# Altium PCB B1029_T01_V1.1.PcbDoc (part 1 of 2) (continued)
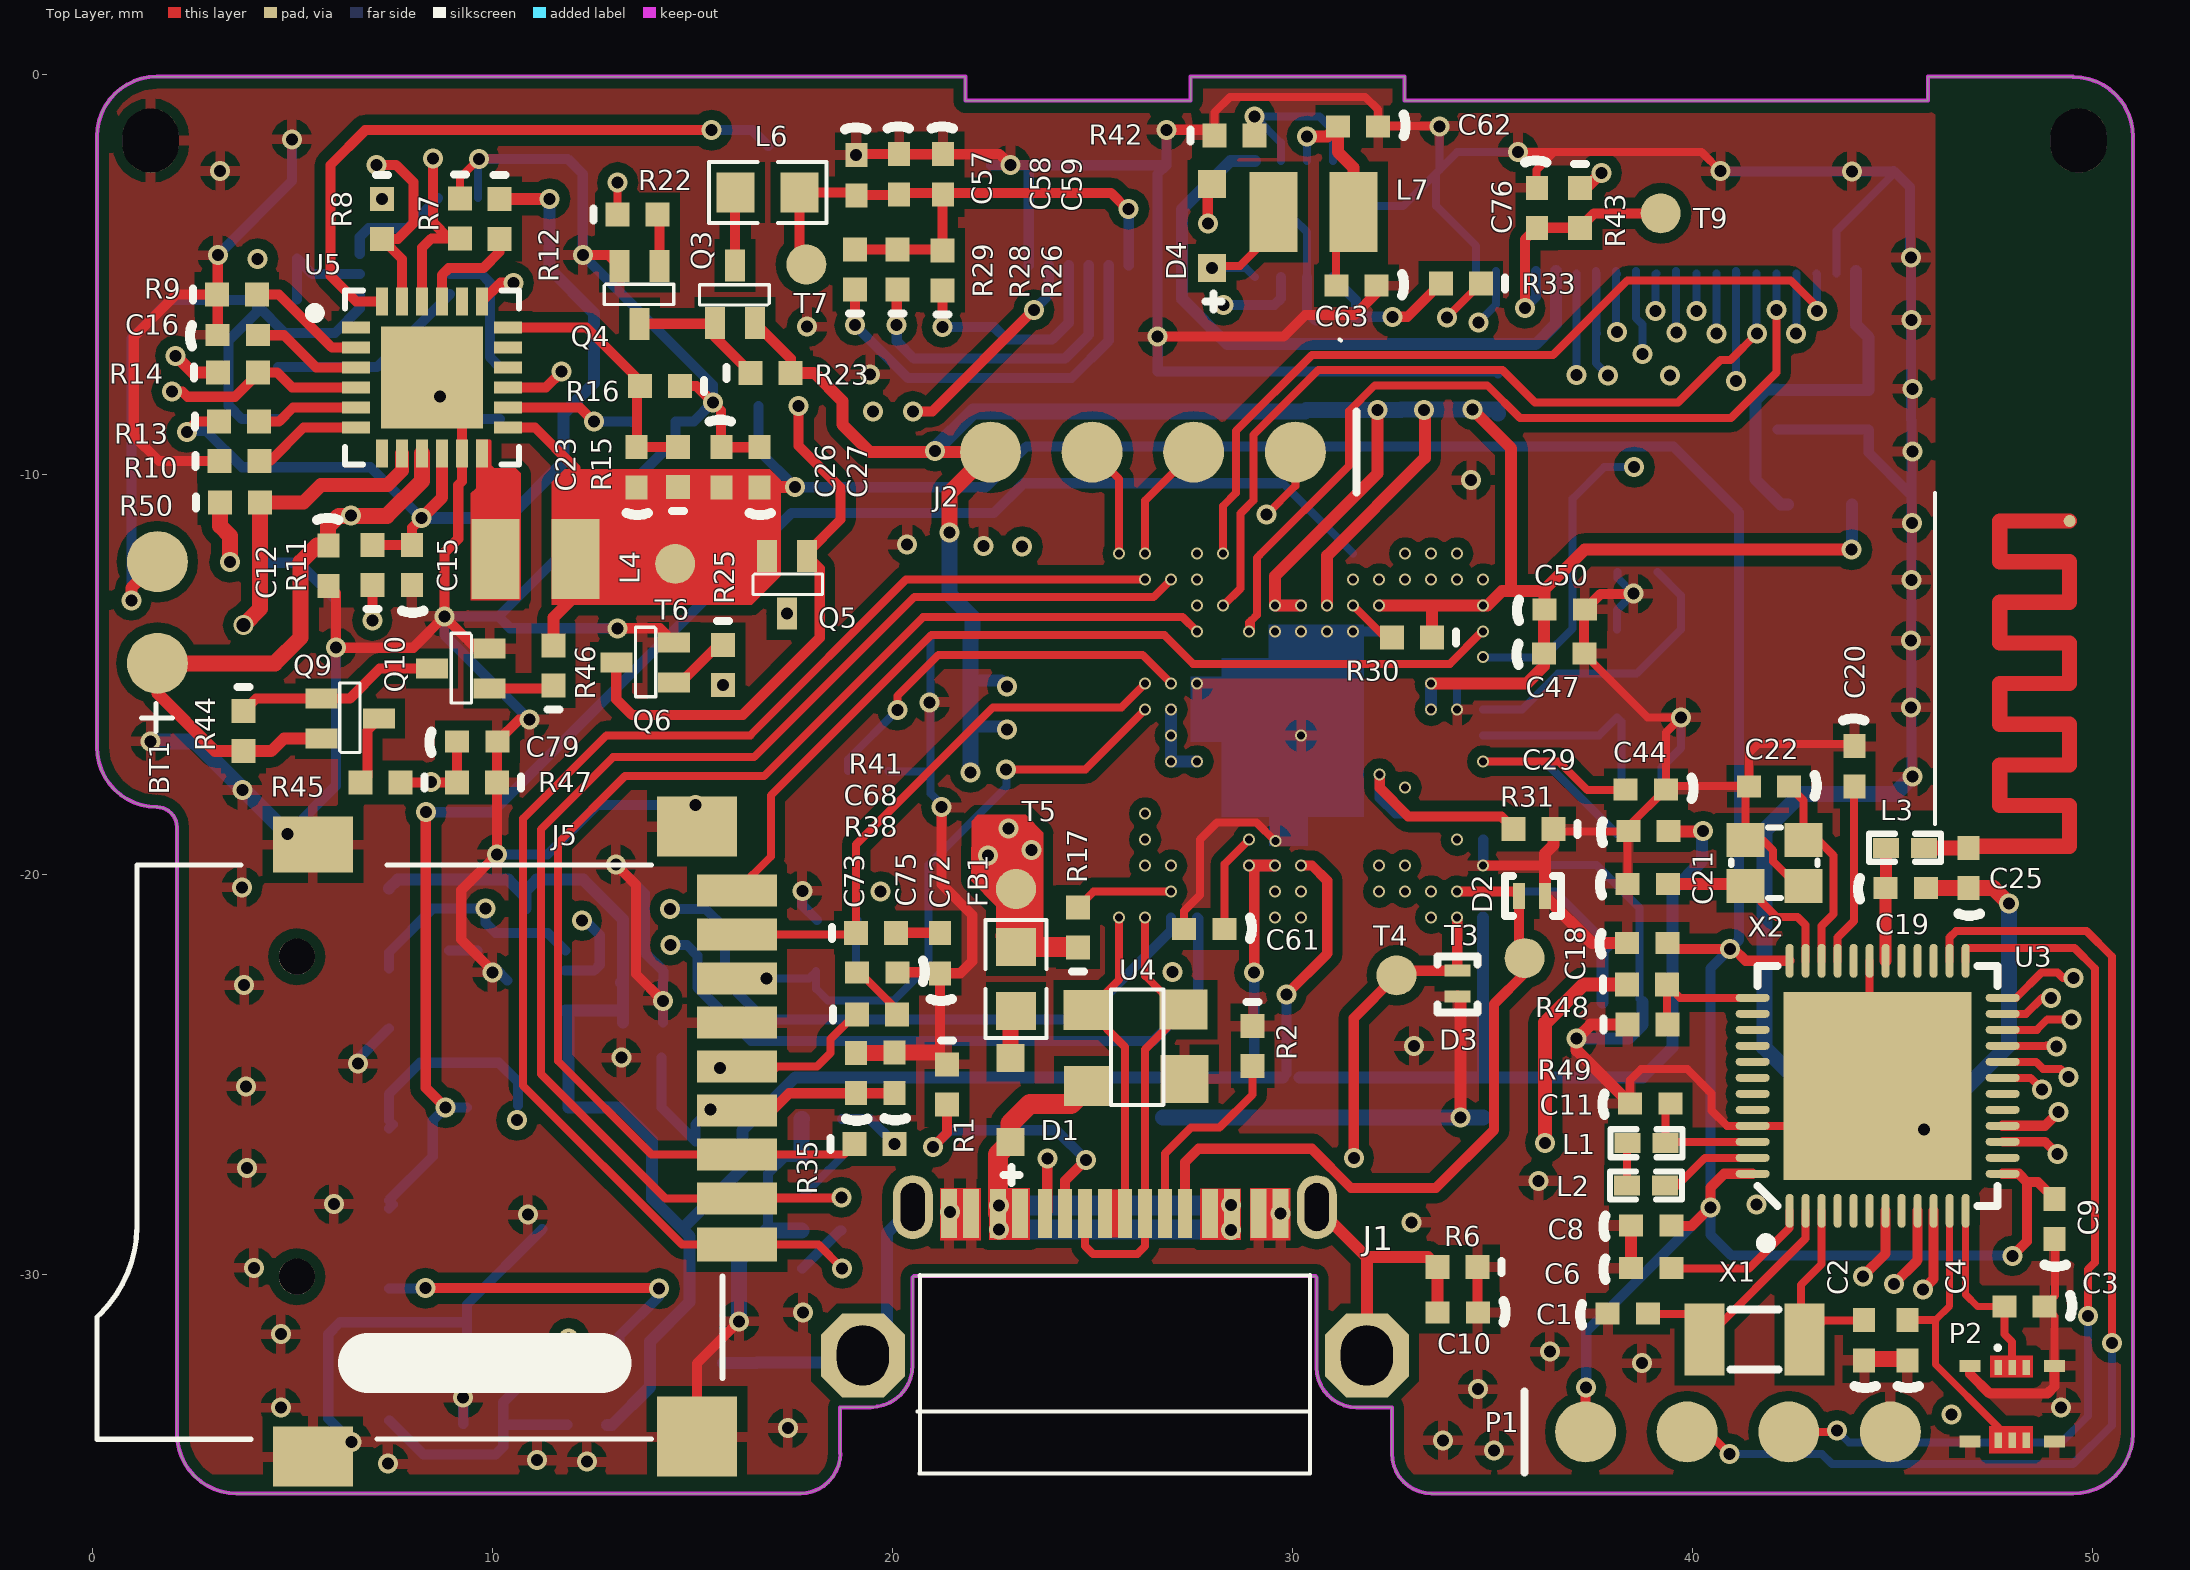
[diagram p0: Top Layer view]
## Components (designator, comment, footprint, x,y, rotation, side; value= is the part's Value field where it differs from the comment) (continued)
MOSI "CHECK" TEST_P#4 6.342,-26.98 r180 bottom
P1 "DownLoad_Nodic" SWD_CON 37.336,-33.939 r0 top
P2 "6PIN-BOARD" 6PIN-DB 48.003,-32.327 r0 top
Q3 "NTA4151PT1G" SOT523_MOSFET#1 16.076,-4.753 r0 top
Q4 "2SK3019TL" SOT523_MOSFET#2 13.714,-5.515 r180 top
Q5 "NTA4151PT1G" SOT523_MOSFET#1 17.371,-13.508 r180 top
Q6 "2SK3019TL" SOT523_MOSFET#2 13.824,-14.732 r90 top
Q9 "NTA4151PT1G" SOT523_MOSFET#1 7.205,-16.106 r270 top
Q10 "2SK3019TL" SOT523_MOSFET#2 9.218,-14.884 r90 top
R1 "5.1K" 0402-A 21.373,-25.25 r270 top
R2 "5.1K" 0402-A 29.014,-24.289 r270 top
R3 "1M" 0402-A 16.621,-31.709 r270 bottom
R4 "2k" 0402-A 9.15,-3.087 r0 bottom
R5 "100" 0402-A 4.625,-4.61 r180 bottom
R6 "1M" 0402-A 34.139,-29.813 r180 top
R7 "100K" 0402-A 9.193,-3.604 r270 top
R8 "120K" 0402-A 7.251,-3.617 r270 top
R9 "2.2K 1%" 0402-A 3.616,-5.503 r0 top
R10 "100K %5" 0402-A 3.681,-9.664 r0 top
R11 "100K %5" 0402-A 7.01,-12.263 r90 top
R12 "100K 1%" 0402-A 10.186,-3.613 r270 top
R13 "100K %5" 0402-A 3.674,-8.677 r0 top
R14 "47K" 0402-A 3.645,-7.45 r0 top
R15 "249K 1%" 0402-A 14.641,-9.819 r90 top
R16 "80.6k 1%" 0402-A 14.196,-7.793 r180 top
R17 "22R" 0402-A 24.647,-21.322 r90 top
R21 "10K" 0402-A 10.34,-20.859 r180 bottom
R22 "100K" 0402-A 13.638,-3.508 r0 top
R23 "100K" 0402-A 16.965,-7.463 r0 top
R24 "100K" 0402-A 17.161,-8.289 r180 bottom
R25 "100K" 0402-A 15.776,-14.76 r270 top
R26 "1.5K" 0402-A 21.258,-4.897 r90 top
R27 "100R" 0402-A 20.018,-8.429 r180 bottom
R28 "1.5K" 0402-A 20.14,-4.88 r90 top
R29 "10K" 0402-A 19.073,-4.872 r90 top
R30 "10K" 0402-A 32.996,-14.074 r180 top
R31 "10K" 0402-A 36.04,-18.867 r180 top
R32 "68R" 0402-A 18.252,-29.851 r180 bottom
R33 "68R" 0402-A 34.216,-5.23 r180 top
R34 "68R" 0402-A 18.23,-28.075 r180 bottom
R35 "68R" 0402-A 19.564,-26.735 r0 top
R36 "330R" 0402-A 31.093,-6.156 r0 bottom
R38 "68R" 0402-A 19.618,-23.501 r0 top
R39 "68R" 0402-A 18.603,-22.421 r0 bottom
R41 "68R" 0402-A 19.597,-21.46 r0 top
R42 "27R" 0402-A 28.561,-1.526 r0 top
R43 "0R" 0402-A 37.194,-3.335 r270 top
R44 "100K" 0402-A 3.782,-16.421 r270 top
R45 "20K" 0402-A 7.211,-17.699 r180 top
R46 "100K" 0402-A 11.53,-14.778 r90 top
R47 "120K" 0402-A 9.624,-17.699 r180 top
R48 "10K" 0402-A 38.87,-22.757 r0 top
R49 "20K" 0402-A 38.884,-23.757 r0 top
R50 "1Ω5%" 0402-A 3.697,-10.708 r0 top
R51 "0K" 0402-A 12.377,-33.761 r0 bottom
R52 "10K" 0402-A 9.779,-33.745 r0 bottom
SCK "CHECK" TEST_P#5 7.472,-28.533 r180 bottom
SS "CHECK" TEST_P#6 6.383,-30.428 r270 bottom
T3 "CHECK" TEST_P#7 35.812,-22.093 r0 top
T4 "CHECK" TEST_P#7 32.611,-22.525 r0 top
T5 "CHECK" TEST_P#7 23.097,-20.365 r0 top
T6 "CHECK" TEST_P#7 14.577,-12.238 r0 top
T7 "CHECK" TEST_P#7 17.854,-4.753 r180 top
T8 "CHECK" TEST_P#7 15.088,-26.676 r180 bottom
T9 "CHECK" TEST_P#7 39.215,-3.475 r0 top
TVCC "CHECK" TEST_P#8 7.43,-34.371 r270 bottom
U1 "HY2113" DFN-6L 7.8,-4.991 r270 bottom
U2 "FS8205A" TSSOP-8 7.419,-8.293 r0 bottom
U3 "nRF52832-QFAAB0" 2-QFN40P600X600X90-48N 44.547,-25.316 r90 top
U4 "PRTR5V0U2X" SOT143B 27.184,-25.083 r90 top
U5 "LTC3455" QFN-24 8.608,-7.539 r0 top
U6 "MIC803-29D2VC3" SC70-3 38.149,-20.315 r90 bottom
U8 "ATECC608A-MAHCZ" DFN8-SE 8.929,-23.402 r90 bottom
U9 "STM32F427IIH6" UFBGA176+25 30.325,-16.556 r180 bottom locked
U10 "W25Q64" WSON-8 11.275,-28.875 r180 bottom
U11 "TPS61043" QFN-8 29.068,-2.219 r270 bottom
VCC1 "CHECK" TEST_P#9 6.388,-20.693 r180 bottom
X1 "32.768kHz" XTAL_3215 41.558,-31.633 r0 top
X2 "32MHz" BT-XTAL_2016 42.057,-19.71 r180 top
XT1 "8Mhz" OSC_4-3225 38.123,-16.073 r270 bottom

## Footprints (in the part's own frame and the unit in brackets; to place one, negate y for a bottom-side part, rotate by r counter-clockwise, add the part's x,y. Pads: shape width x height; smd on the part's side, far side on the other; paste and mask are expansions set on the pad)
2-QFN40P600X600X90-48N [mm]
  oval 0.85x0.2 smd: 1(-3.094,2.109) 2(-3.094,1.709) 3(-3.094,1.309) 4(-3.094,0.909) 5(-3.094,0.509) 6(-3.094,0.109) 7(-3.094,-0.291) 8(-3.094,-0.691) 9(-3.094,-1.091) 10(-3.094,-1.491) 11(-3.094,-1.891) 12(-3.094,-2.291) 25(3.156,-2.291) 26(3.156,-1.891) 27(3.156,-1.491) 28(3.156,-1.091) 29(3.156,-0.691) 30(3.156,-0.291) 31(3.156,0.109) 32(3.156,0.509) 33(3.156,0.909) 34(3.156,1.309) 35(3.156,1.709) 36(3.156,2.109)
  oval 0.2x0.85 smd: 13(-2.169,-3.216) 14(-1.769,-3.216) 15(-1.369,-3.216) 16(-0.969,-3.216) 17(-0.569,-3.216) 18(-0.169,-3.216) 19(0.231,-3.216) 20(0.631,-3.216) 21(1.031,-3.216) 22(1.431,-3.216) 23(1.831,-3.216) 24(2.231,-3.216) 37(2.231,3.034) 38(1.831,3.034) 39(1.431,3.034) 40(1.031,3.034) 41(0.631,3.034) 42(0.231,3.034) 43(-0.169,3.034) 44(-0.569,3.034) 45(-0.969,3.034) 46(-1.369,3.034) 47(-1.769,3.034) 48(-2.169,3.034)
  rect 4.7x4.7 smd: 49(0.031,-0.091)
  silkscreen extent -4.03,-3.09 3.03,2.91, body extent -2.99,-3.11 3.05,2.93, height 0.86
6PIN-1 [mm]
  rect 0.3x0.8 smd: 1(0,0) 2(0.5,0) 3(1,0) 4(1.5,0) 5(2,0) 6(2.5,0)
  rect 0.4x0.8 smd: 7(-0.94,-2.5) 8(3.44,-2.5)
  silkscreen extent -1.43,-3.05 3.93,0.76, body extent -1.45,-3.07 3.93,0.76, height 1
6PIN-DB [mm]
  rect 0.52x0.3 smd: 0(-1.055,-1.856) 0(-1.055,0.042) 0(1.055,-1.856) 0(1.055,0.042)
  rect 0.18x0.38 smd: 1(-0.35,0) 2(0,0) 3(0.35,0) 4(0.35,-1.82) 5(0,-1.82) 6(-0.35,-1.82)
  silkscreen extent -0.37,0.48 -0.35,0.5, body extent -1.77,-1.93 1.78,0.05, height 0.6
20PIN-2 [mm]
  rect 0.3x0.8 smd: 1(4.895,0.61) 2(4.395,0.61) 3(3.895,0.61) 4(3.395,0.61) 5(2.895,0.61) 6(2.395,0.61) 7(1.895,0.61) 8(1.395,0.61) 9(0.895,0.61) 10(0.395,0.61) 11(-0.105,0.61) 12(-0.605,0.61) 13(-1.105,0.61) 14(-1.605,0.61) 15(-2.105,0.61) 16(-2.605,0.61) 17(-3.105,0.61) 18(-3.605,0.61) 19(-4.105,0.61) 20(-4.605,0.61)
  rect 0.4x0.8 smd: 21(-5.545,-1.89) 22(5.835,-1.89)
  silkscreen extent -6.22,-2.46 6.53,1.37, body extent -6.27,-2.51 6.56,1.37, height 1
0402-A [mm] "Chip Inductor; Body 1 x 0.5 mm (LxW typ)"
  rect 0.6x0.6 smd: 1(-0.5,0) 2(0.5,0)
  silkscreen extent -1.1,-0.15 -1.1,0.15, body extent -0.55,-0.29 0.55,0.29, height 0.33
0402-C [mm]
  rect 0.6x0.55 smd: 1(0.385,0.01) 2(1.394,0.01)
  silkscreen extent -0.3,-0.28 -0.25,0.25, body extent 0.3,-0.26 1.47,0.28, height 0.53
0402-c [mm]
  rect 0.6x0.55 smd: 1(0.385,0.01) 2(1.394,0.01)
  silkscreen extent -0.3,-0.28 -0.25,0.25, body extent 0.3,-0.26 1.47,0.28, height 0.53
0603-1 [mm] "贴片带丝印"
  rect 0.95x1 smd: 1(-0.8,0) 2(0.8,0)
  silkscreen extent -1.47,-0.76 1.47,0.76, body extent -1.14,-0.38 1.14,0.38, height 1
BAT_CON [mil]
  round 60 smd: 1(0,0) 2(100,0)
  silkscreen extent -67,-15 -39,16
BT-XTAL_2016 [mm] "Crystal 2.0 x 1.6 mm"
  rect 0.95x0.85 smd: 1(-0.725,-0.575) 2(0.725,-0.575) 3(0.725,0.575) 4(-0.725,0.575)
  silkscreen extent -1.08,-0.88 1.08,0.88, body extent -1.05,-0.85 1.05,0.85, height 0.56
DFN8-SE [mm]
  rect 0.3x0.85 smd: 1(0,0) 2(0.5,0) 3(1,0) 4(1.5,0) 5(1.5,2.9) 6(1,2.9) 7(0.5,2.9) 8(0,2.9)
  rect 1.6x1.4 smd: 9(0.75,1.45)
  silkscreen extent -0.64,-0.27 1.77,2.98
DFN-6L [mm]
  rect 0.28x0.9 smd mask+0.05: 1(-0.5,-1.15) 2(0,-1.15) 3(0.5,-1.15)
  rect 0.28x0.8 smd mask+0.05: 4(0.5,1.11) 5(0,1.11)
  rect 0.28x0.81 smd mask+0.05: 6(-0.5,1.11)
  rect 1.2x0.7 smd: ""(0,0)
  silkscreen extent -1.15,-1.36 -0.94,-1.15
INDC1005X04L [mm] "Chip Inductor, 2-Leads, Body 1.0x0.5mm, IPC High Density"
  rect 0.65x0.5 smd: 1(-0.475,0) 2(0.475,0)
  silkscreen extent -0.9,-0.35 0.9,0.35, body extent -0.5,-0.3 0.5,0.3, height 0.5
L_2.5X2.0 [mm]
  rect 1.2x2 smd: 1(-0.17,0) 2(1.83,0)
  body extent -0.77,-1.01 2.44,1, height 0.8
OSC_4-3225 [mm]
  rect 1.2x1.1 smd: 1(0,0) 2(-2.2,0) 3(-2.2,-1.6) 4(0,-1.6)
  silkscreen extent -2.97,-2.31 1.19,0.71, body extent -2.67,-2.04 0.53,0.46, height 0.81
QFN-8 [mm]
  rect 0.7x0.3 smd: 1(-0.05,0) 2(-0.05,-0.65) 3(-0.05,-1.3) 4(-0.05,-1.95) 5(2.85,-1.95) 6(2.85,-1.3) 7(2.85,-0.65) 8(2.85,0)
  rect 0.23x0.925 smd: 9(1.075,-2.209) 9(1.075,0.304) 9(1.725,-2.209) 9(1.725,0.304)
  rect 1.5x1.75 smd: 9(1.4,-0.975)
  silkscreen extent -0.68,-0.03 -0.63,0.03, body extent -0.09,-2.44 2.9,0.56, height 1
QFN-24 [mm]
  rect 0.703x0.3 smd: 1(-2.012,1.209) 2(-2.012,0.709) 3(-2.012,0.209) 4(-2.012,-0.291) 5(-2.012,-0.791) 6(-2.012,-1.291) 13(1.792,-1.291) 14(1.792,-0.791) 15(1.792,-0.291) 16(1.792,0.209) 17(1.792,0.709) 18(1.792,1.209)
  rect 0.3x0.703 smd: 7(-1.36,-1.943) 8(-0.86,-1.943) 9(-0.36,-1.943) 10(0.14,-1.943) 11(0.64,-1.943) 12(1.14,-1.943) 19(1.14,1.861) 20(0.64,1.861) 21(0.14,1.861) 22(-0.36,1.861) 23(-0.86,1.861) 24(-1.36,1.861)
  rect 2.55x2.55 smd paste-1.262: 25(-0.11,-0.041)
  silkscreen extent -3.17,-2.22 2.07,2.14, body extent -2.21,-2.14 1.99,2.06, height 0.8
SC70-3 [mm]
  rect 0.5x0.8 smd: 1(0,0.01) 2(1.3,0) 3(0.65,2.1)
  silkscreen extent -0.37,0.46 1.69,1.69
SOD323 [mm]
  rect 0.7x0.7 smd: 1(2.1,0) 2(0,0)
  silkscreen extent 2.73,-0.17 3.13,0.23
SOD882 [mm]
  rect 0.3x0.65 smd: 1(0,0) 2(0.65,0)
  silkscreen extent -0.4,-0.5 1,0.5
SOT143B [mm]
  rect 1.2x1.2 smd: 1(-0.03,-0.13)
  rect 1x1.2 smd: 2(1.7,-0.1) 3(1.69,2.3) 4(-0.21,2.29)
  silkscreen extent -0.68,0.4 2.21,1.71, body extent -0.75,0.35 2.27,1.78, height 1
SOT523_MOSFET#1 [mm]
  rect 0.5x0.8 smd: 1(-0.5,-1.467) 2(0,-0.027) 3(0.5,-1.467)
  silkscreen extent -0.89,-1.02 0.85,-0.51
SOT523_MOSFET#2 [mm]
  rect 0.5x0.8 smd: 1(-0.47,-0.72) 2(0.03,0.72) 3(0.53,-0.72)
  silkscreen extent -0.83,-0.27 0.91,0.24
SWD_CON [mil]
  round 60 smd: 1(0,0) 2(100,0) 3(200,0) 4(300,0)
  silkscreen extent -60,-40 -60,40
SWITCH_CON1 [mm]
  rect 1.2x2.7 smd: 1(0,0) 2(2,0)
  body extent -0.49,0.14 2.49,1.29, height 1
TEST_P#1 [mm] "Chip Inductor; Body 1 x 0.5 mm (LxW typ)"
  round 1 smd: 1(0.841,1.033)
TEST_P#2 [mm]
  round 1 smd: 1(-1.022,1.386)
TEST_P#3 [mm]
  round 1 smd: 1(-1.102,-0.186)
TEST_P#4 [mm]
  round 1 smd: 1(-1.076,-1.169)
TEST_P#5 [mm]
  round 1 smd: 1(0.054,2.381)
TEST_P#6 [mm]
  round 1 smd: 1(-0.279,-1.035)
TEST_P#7 [mm]
  round 1 smd: 1(0,0)
TEST_P#8 [mm]
  round 1 smd: 1(-0.722,0)
TEST_P#9 [mm]
  round 1 smd: 1(-1.03,0.344)
TF_1 [mm]
  round 0.9 hole 0.9 unplated: 0(-0.8,11) 0(7.2,11)
  rect 0.85x2 smd: 1(0,0)
  rect 0.8x2 smd: 2(1.15,0) 3(2.25,0) 4(3.35,0) 5(4.45,0) 6(5.55,0) 7(6.65,0) 8(7.75,0) 9(8.85,0)
  rect 1.5x2 smd: 10(-5.3,10.6) 12(10.45,1)
  rect 2x2 smd: 11(-4.8,1)
  rect 1.4x2 smd: 13(10,10.6)
  silkscreen extent -4.87,0.36 9.49,16, body extent -5.85,0 10.25,15, height 1.85
TSSOP-8 [mm]
  oval 1.65x0.3 smd: 1(-2.775,0.975) 2(-2.775,0.325) 3(-2.775,-0.325) 4(-2.775,-0.975) 5(2.775,-0.975) 6(2.775,-0.325) 7(2.775,0.325) 8(2.775,0.975)
  silkscreen extent -2.9,-1.55 1.55,1.8
TYPEC2 [mm]
  oct 2.1x2.1 hole 1.3 slot 1.5 at 90 deg: 0(-2.705,-3.548) 0(9.895,-3.548)
  oval 1x1.6 hole 0.6 slot 1.2 at 90 deg: 0(-1.455,0.16) 0(8.645,0.16)
  rect 0.4x1.23 smd: A1(0,0) A4(1.225,0) A9(5.97,0) A12(7.19,0) B1(7.74,0) B4(6.52,0) B9(0.67,0) B12(-0.55,0)
  rect 0.35x1.23 smd: A5(2.35,0) A6(3.35,0) A7(4.35,0) A8(5.35,0) B5(4.85,0) B6(3.85,0) B7(2.85,0) B8(1.85,0)
  silkscreen extent -1.34,-6.5 8.47,-1.54, body extent -1.33,-6.55 8.55,-1.49, height 2.91
UFBGA176+25 [mm]
  round 0.3 smd: A1(-4.452,4.576) A2(-3.802,4.576) A3(-3.152,4.576) A4(-2.502,4.576) A5(-1.852,4.576) A6(-1.202,4.576) A7(-0.552,4.576) A8(0.098,4.576) A9(0.748,4.576) A10(1.398,4.576) A11(2.048,4.576) A12(2.698,4.576) A13(3.348,4.576) A14(3.998,4.576) A15(4.648,4.576) B1(-4.452,3.926) B2(-3.802,3.926) B3(-3.152,3.926) B4(-2.502,3.926) B5(-1.852,3.926) B6(-1.202,3.926) B7(-0.552,3.926) B8(0.098,3.926) B9(0.748,3.926) B10(1.398,3.926) B11(2.048,3.926) B12(2.698,3.926) B13(3.348,3.926) B14(3.998,3.926) B15(4.648,3.926) C1(-4.452,3.276) C2(-3.802,3.276) C3(-3.152,3.276) C4(-2.502,3.276) C5(-1.852,3.276) C6(-1.202,3.276) C7(-0.552,3.276) C8(0.098,3.276) C9(0.748,3.276) C10(1.398,3.276) C11(2.048,3.276) C12(2.698,3.276) C13(3.348,3.276) C14(3.998,3.276) C15(4.648,3.276) D1(-4.452,2.626) D2(-3.802,2.626) D3(-3.152,2.626) D4(-2.502,2.626) D5(-1.852,2.626) D6(-1.202,2.626) D7(-0.552,2.626) D8(0.098,2.626) D9(0.748,2.626) D10(1.398,2.626) D11(2.048,2.626) D12(2.698,2.626) D13(3.348,2.626) D14(3.998,2.626) D15(4.648,2.626) E1(-4.452,1.976) E2(-3.802,1.976) E3(-3.152,1.976) E4(-2.502,1.976) E12(2.698,1.976) E13(3.348,1.976) E14(3.998,1.976) E15(4.648,1.976) F1(-4.452,1.326) F2(-3.802,1.326) F3(-3.152,1.326) F4(-2.502,1.326) F6(-1.202,1.326) F7(-0.552,1.326) F8(0.098,1.326) F9(0.748,1.326) F10(1.398,1.326) F12(2.698,1.326) F13(3.348,1.326) F14(3.998,1.326) F15(4.648,1.326) G1(-4.452,0.676) G2(-3.802,0.676) G3(-3.152,0.676) G4(-2.502,0.676) G6(-1.202,0.676) G7(-0.552,0.676) G8(0.098,0.676) G9(0.748,0.676) G10(1.398,0.676) G12(2.698,0.676) G13(3.348,0.676) G14(3.998,0.676) G15(4.648,0.676) H1(-4.452,0.026) H2(-3.802,0.026) H3(-3.152,0.026) H4(-2.502,0.026) H6(-1.202,0.026) H7(-0.552,0.026) H8(0.098,0.026) H9(0.748,0.026) H10(1.398,0.026) H12(2.698,0.026) H13(3.348,0.026) H14(3.998,0.026) H15(4.648,0.026) J1(-4.452,-0.624) J2(-3.802,-0.624) J3(-3.152,-0.624) J4(-2.502,-0.624) J6(-1.202,-0.624) J7(-0.552,-0.624) J8(0.098,-0.624) J9(0.748,-0.624) J10(1.398,-0.624) J12(2.698,-0.624) J13(3.348,-0.624) J14(3.998,-0.624) J15(4.648,-0.624) K1(-4.452,-1.274) K2(-3.802,-1.274) K3(-3.152,-1.274) K4(-2.502,-1.274) K6(-1.202,-1.274) K7(-0.552,-1.274) K8(0.098,-1.274) K9(0.748,-1.274) K10(1.398,-1.274) K12(2.698,-1.274) K13(3.348,-1.274) K14(3.998,-1.274) K15(4.648,-1.274) L1(-4.452,-1.924) L2(-3.802,-1.924) L3(-3.152,-1.924) L4(-2.502,-1.924) L12(2.698,-1.924) L13(3.348,-1.924) L14(3.998,-1.924) L15(4.648,-1.924) M1(-4.452,-2.574) M2(-3.802,-2.574) M3(-3.152,-2.574) M4(-2.502,-2.574) M5(-1.852,-2.574) M6(-1.202,-2.574) M7(-0.552,-2.574) M8(0.098,-2.574) M9(0.748,-2.574) M10(1.398,-2.574) M11(2.048,-2.574) M12(2.698,-2.574) M13(3.348,-2.574) M14(3.998,-2.574) M15(4.648,-2.574) N1(-4.452,-3.224) N2(-3.802,-3.224) N3(-3.152,-3.224) N4(-2.502,-3.224) N5(-1.852,-3.224) N6(-1.202,-3.224) N7(-0.552,-3.224) N8(0.098,-3.224) N9(0.748,-3.224) N10(1.398,-3.224) N11(2.048,-3.224) N12(2.698,-3.224) N13(3.348,-3.224) N14(3.998,-3.224) N15(4.648,-3.224) P1(-4.452,-3.874) P2(-3.802,-3.874) P3(-3.152,-3.874) P4(-2.502,-3.874) P5(-1.852,-3.874) P6(-1.202,-3.874) P7(-0.552,-3.874) P8(0.098,-3.874) P9(0.748,-3.874) P10(1.398,-3.874) P11(2.048,-3.874) P12(2.698,-3.874) P13(3.348,-3.874) P14(3.998,-3.874) P15(4.648,-3.874) R1(-4.452,-4.524) R2(-3.802,-4.524) R3(-3.152,-4.524) R4(-2.502,-4.524) R5(-1.852,-4.524) R6(-1.202,-4.524) R7(-0.552,-4.524) R8(0.098,-4.524) R9(0.748,-4.524) R10(1.398,-4.524) R11(2.048,-4.524) R12(2.698,-4.524) R13(3.348,-4.524) R14(3.998,-4.524) R15(4.648,-4.524)
  round 1 on Bottom Overlay: ""(-5.95,4.89)
  silkscreen extent -5.19,-5.26 5.38,5.31, body extent -4.92,-5 5.14,5.06, height 0.61
WSON-8 [mm]
  rect 0.45x1.1 smd: 1(-1.905,-3.044) 2(-0.635,-3.044) 3(0.635,-3.044) 4(1.905,-3.044) 5(1.905,3.044) 6(0.635,3.044) 7(-0.635,3.044) 8(-1.905,3.044)
  rect 4.3x3.4 smd: 9(0.023,0.005)
  silkscreen extent -2.57,-3.46 2.57,3.06
XTAL_3215 [mm] "XTAL SMD 3.2 x 1.5 mm"
  rect 1x1.8 smd: 1(-1.25,0) 2(1.25,0)
  silkscreen extent -0.6,-0.75 0.6,0.75, body extent -1.6,-0.75 1.6,0.75, height 0.81

## Part data
BT1: "备份电池"
C1 C2 C21 C22: library part C0402-12p, "Capacitor, NP0, ?%"
C3 C4: library part Cap, "Capacitor"
C5 C7 C10 C12 C13 C15 C16 C23 C24 C26 C27 C29 C31 C32 C33 C34 C35 C36 C37 C38 C39 C40 C41 C42 C43 C44 C45 C46 C47 C48 C49 C50 C51 C52 C53 C54 C55 C56 C57 C58 C59 C60 C61 C62 C63 C71 C73 C74 C76 C78 C79: library part Cap, "无极性电容"
C6 C9 C18: library part C0402-100n, "Capacitor, X7R, ?0%"
C8: library part C0603-4?, "Capacitor, X5R, ?0%"
C11: library part C0603-1?, "Capacitor, X7R, ?0%"
C19: library part C0402-0.8p, "Capacitor, NP0, ?%"
C20: library part C0402-100p, "Capacitor, NP0, ?%"
C25: library part C0402-1.2p, "Capacitor, NP0, ?.1pF"
C64 C65 C66 C67 C68 C69 C70 C72 C75 C77: library part SMT_C_0402, "Surface mount capacitor 0402"
D1 D4: library part D-Schottky, "肖特基二极管"
D2 D3: library part TVS_DIOCODE, "TVS"
DATA GND1 MISO MOSI SCK SS T3 T4 T5 T6 T7 T8 T9 TVCC VCC1: "测试点"
FB1 R1 R2 R3 R6 R17 R21 R22 R23 R26 R27 R28 R29 R30 R31 R32 R33 R34 R35 R36 R38 R39 R41 R42 R43 R44 R45 R46 R47 R48 R49 R51 R52: library part Res1, "贴片电阻"
J1: "USB"
J2 P1: library part "Header 4", "Header, 4-Pin"
J3: library part GB042-10S--H10, "Touch"
J5: "MICRO_SD"
K1: library part KEY
L1: library part L0402-15n, "Inductor, 320mA, ?%"
L2: library part L0603-10?, "Inductor, 80mA, ?0%"
L3: library part L0402-3n9, "Inductor, 170mA, ?.1nH"
L4 L5 L6 L7 L8: library part Inductor, "电感"
Q3 Q5 Q9: library part MOSFET-P, "P-Channel MOSFET"
Q4 Q6 Q10: library part MOSFET-N, "N-Channel MOSFET"
R4 R5 R7 R8 R9 R10 R11 R12 R13 R14 R15 R16 R24 R25 R50: library part R-10K, "resistor"
U1: "Charger"
U2: "Charger IC"
U3: "Multi-protocol Bluetooth Low Energy, ANT and 2.4GHz proprietary system-on-chip"
U4: "ESD_Protect"
U6: library part MIC803
U8: library part ATECC608A
U10: library part SPI_FLASH
U11: "Led Drvier"
X1: library part "XTAL_FC-135 32.768k", "XTAL SMD 3215, 32.768kHz, 9pF, ?0ppm"
X2: library part XTAL_SMD2016_32MHz_8pF_Epson, "XTAL SMD 2016, 32MHz, Cl=8pF, Tol: ?0ppm, Stab: ?0ppm"
XT1: library part XT, "晶振"

## Free pads (board coordinates)
  oval 1.4x1.6 hole 1.4 slot 1.6 at 90 deg: 0(1.463,-1.654) 0(49.664,-1.654)
  round 0.3 smd: 0(49.438,-11.167)

## Via types
v1: diameter 0.5, hole 0.3, Top Layer to Bottom Layer, 203 vias
v2: diameter 0.3, hole 0.2, Top Layer to Bottom Layer, 73 vias
v3: diameter 0.5, hole 0.35, Top Layer to Bottom Layer, 1 vias

## Nets (pads, with @x,y where several pads share a name; then routed paths per layer and width w, separated by ;. In a path a pad name is that pad's centre, name@x,y a point inside that pad or via, vN(x,y) a via of type N, cw(c..) or ccw(c..) an arc to the next point about the centre after c; other vN are vias at no path point)
3V3: C8.2 C9.2 C18.2 C23.1 C26.2 C27.1 L4.1 P1.1 Q5.3 R8.1 R14.1 R15.1 R24.2 R46.2 T6.1 U3.13 U3.36 U3.48 U5.13 | length 103.6
  Top Layer w0.254: U5.13@10.4,-8.83 11.071,-8.83 12.08,-9.839 L4.1@12.08,-12.111 ; L4.1@12.08,-13.031 L4.1@12.08,-12.111 ; T6.1@14.577,-12.238 12.207,-12.238 L4.1@12.08,-12.111 ; C26.2@15.593,-10.325 C26.2@15.72,-10.452 ; Q5.3@16.863,-12.033 Q5.3@16.871,-12.041 ; P1.1@37.336,-33.939 37.336,-32.843 v1(37.352,-32.827) ; C18.2@39.378,-21.721 C18.2@39.393,-21.721 ; C18.2@39.383,-21.711 C18.2@39.393,-21.721 ; C8.2@39.474,-28.788 39.992,-28.788 v1(40.456,-28.324) 40.456,-27.832 40.803,-27.485 U3.48@41.513,-27.485 ; U3.36@42.438,-22.16 41.34,-22.16 41.045,-21.865 v1(40.944,-21.865) 39.537,-21.865 C18.2@39.393,-21.721 ; U3.13@47.763,-27.485 48.165,-27.485 48.373,-27.693 ; v1@48.011,-29.54 v1(48.008,-29.537) 48.373,-29.172 48.373,-27.693 ; C9.2@49.07,-28.116 48.647,-27.693 48.373,-27.693
  Top Layer w0.3: v1(2.09,-7.035) 2.506,-7.45 R14.1@3.037,-7.45 ; R14.1@3.145,-7.45 R14.1@3.037,-7.45 ; R14.1@3.15,-7.564 R14.1@3.037,-7.45 ; R46.2@11.53,-14.278 11.53,-13.581 L4.1@12.08,-13.031 ; C27.1@16.681,-10.329 16.69,-10.32 v1(17.577,-10.32)
  Mid-Layer 1 w0.3: v1(2.09,-7.035) 5.681,-7.035 7.251,-5.464 v1(7.251,-3.117) 9.584,-3.117 14.487,-8.02 14.487,-8.821 15.986,-10.32 v1(17.577,-10.32)
  Bottom Layer w0.254: R24.2@16.661,-8.289 16.661,-9.404 v1(17.577,-10.32) 22.338,-10.32 23.356,-9.302 39.527,-9.302 41.175,-10.95 41.175,-21.634 v1(40.944,-21.865) 40.456,-22.353 v1(40.456,-28.324) ; v1(37.352,-32.827) 37.352,-31.429 v1(40.456,-28.324) ; v1(48.008,-29.537) 48,-29.529 40.981,-29.529 40.456,-29.004 v1(40.456,-28.324)
ADC_VBAT: C79.1 R45.1 R47.2 U3.7 | length 47.1
  Top Layer w0.254: R45.1@7.711,-17.699 R47.2@9.124,-17.699 C79.1@9.124,-16.683 ; v1(44.266,-30.048) 44.838,-29.476 U3.7@44.838,-28.41
  Mid-Layer 2 w0.254: v1(8.475,-17.695) 9.133,-17.037 15.35,-17.037 18.571,-20.257 18.571,-22.626 21.962,-26.017 32.449,-26.017 35.976,-29.544 43.762,-29.544 v1(44.266,-30.048)
ANT: C25.2 L3.2 pad.0@49.438,-11.167 | length 25.8
  Top Layer w0.381: L3.2@45.8,-19.335 45.806,-19.341 46.921,-19.341 46.968,-19.295 47.69,-19.295 48.891,-19.295 49.438,-19.295 49.438,-18.279 47.69,-18.279 47.69,-17.263 49.438,-17.263 49.438,-16.247 47.69,-16.247 47.69,-15.231 49.438,-15.231 49.438,-14.215 47.69,-14.215 47.69,-13.199 49.438,-13.199 49.438,-12.183 47.69,-12.183 47.69,-11.167 pad.0@49.438,-11.167
CC1: J1.A5 R1.2 | length 7.1
  Top Layer w0.254: v1(21.022,-26.816) 21.373,-26.465 R1.2@21.373,-25.75 ; J1.A5@24.324,-28.478 24.324,-27.656 v1(24.845,-27.135)
  Bottom Layer w0.254: v1(21.022,-26.816) 21.443,-26.395 24.106,-26.395 v1(24.845,-27.135)
CC2: J1.B5 R2.2 | length 5
  Top Layer w0.2: J1.B5@26.824,-28.478 26.824,-26.976 27.47,-26.33 28.188,-26.33 29.014,-25.504 R2.2@29.014,-24.789
CHRG_STA: R14.2 U3.16 U5.4 | length 73.7
  Top Layer w0.254: v1(1.998,-7.928) 2.253,-7.928 2.383,-8.057 3.573,-8.057 4.145,-7.485 R14.2@4.145,-7.45 4.623,-7.45 5.002,-7.83 U5.4@6.597,-7.83 ; U3.16@47.763,-26.285 48.82,-26.285 v1(49.163,-25.942)
  Mid-Layer 2 w0.254: v1(1.998,-7.928) 1.659,-8.267 1.659,-13.998 6.874,-19.213 9.218,-19.213 9.531,-18.9 16.292,-18.9 17.032,-19.64 17.032,-21.821 21.74,-26.53 32.32,-26.53 35.872,-30.082 43.339,-30.082 44.485,-31.228 47.28,-31.228 49.74,-28.768 49.74,-26.519 v1(49.163,-25.942)
CTL_ST: R25.2 U3.10 | length 40.9
  Top Layer w0.254: v1(45.773,-30.377) 46.038,-30.112 U3.10@46.038,-28.41
  Mid-Layer 2 w0.254: v1(15.776,-15.26) 15.776,-16.52 19.121,-19.865 19.121,-22.464 22.216,-25.558 32.886,-25.558 36.352,-29.025 44.972,-29.025 45.773,-29.826 v1(45.773,-30.377)
DEC1: C6.2 U3.1 | length 3.8
  Top Layer w0.2: C6.2@39.474,-29.855 41.424,-29.855 42.438,-28.841 U3.1@42.438,-28.41
DEC3: C20.2 U3.33 | length 4.5
  Top Layer w0.2: U3.33@43.638,-22.16 43.638,-21.575 44.05,-21.163 44.05,-17.812 C20.2@44.06,-17.803
DEC4: C11.2 L1.1 U3.46 | length 3.2
  Top Layer w0.2: C11.2@39.383,-25.734 39.332,-25.785 L1.1@39.332,-26.721 39.368,-26.685 U3.46@41.513,-26.685
DN: J1.A7 J1.B7 U4.2 U9.R14 | length 11.4
  Top Layer w0.2: J1.B7@24.824,-28.478 24.824,-29.29 25.024,-29.489 26.131,-29.489 26.324,-29.296 J1.A7@26.324,-28.478 26.324,-24.375 27.284,-23.415 U4.2@27.284,-23.383 ; v2@26.327,-21.082 26.327,-22.537 U4.2@27.179,-23.388
  other v2: 26.327,-21.08
DP: J1.A6 J1.B6 U4.3 U9.R15 | length 8.1
  Top Layer w0.2: v2(25.677,-21.08) 25.678,-22.631 24.911,-23.398 25.824,-24.312 J1.B6@25.824,-28.478
EN_NRF: R7.2 U3.15 U5.22 | length 95.5
  Top Layer w0.24: U3.15@47.763,-26.685 48.826,-26.685 v1(49.134,-26.993)
  Top Layer w0.254: U5.22@8.248,-5.678 8.248,-4.335 8.481,-4.102 8.483,-4.104 R7.2@8.92,-4.104 ; v1(8.526,-2.099) 8.526,-3.71 R7.2@8.92,-4.104 ; R7.2@9.193,-4.104 R7.2@8.92,-4.104
  Mid-Layer 1 w0.254: v1(8.526,-2.099) 8.141,-1.714 6.582,-1.714 5.612,-2.685 5.612,-4.918 4.989,-5.54 1.674,-5.54 0.75,-6.464 0.75,-9.498 1.744,-10.492 1.744,-14.548 6.094,-18.897 6.094,-21.641 7.474,-23.02 7.474,-25.758 9.029,-27.313 9.029,-30.889 11.124,-32.984 13.661,-32.984 15.449,-31.196 15.449,-30.164 19.991,-25.623 32.422,-25.623 35.615,-28.817 37.741,-28.817 40.265,-31.341 47.435,-31.341 49.134,-29.642 v1(49.134,-26.993)
GND: C1.1 C2.1 C3.1 C4.1 C5.1 C6.1 C8.1 C9.1 C10.1 C11.1 C12.2 C13.1 C15.1 C16.1 C18.1 C19.2 C20.1 C21.1 C22.2 C24.1 C25.1 C26.1 C27.2 C29.1 C31.2 C32.2 C33.2 C34.2 C35.1 C36.2 C37.2 C38.2 C39.2 C40.2 C41.2 C42.2 C43.2 C44.1 C45.2 C46.2 C47.2 C48.2 C49.2 C50.2 C51.2 C52.2 C53.2 C54.2 C55.2 C56.2 C57.1 C58.1 C59.1 C60.2 C61.2 C62.1 C63.1 C64.1 C65.1 C66.2 C67.1 C68.1 C69.2 C70.1 C71.2 C72.1 C73.2 C74.1 C75.2 C76.1 C77.2 C78.1 C79.2 D2.1 D3.1 GND1.1 J1.A1 J1.A12 J1.B1 J1.B12 J2.1 J3.1 J3.7 J3.8 J4.2 J4.20 J4.21 J4.22 J5.6 J5.10 J5.11 J5.12 J5.13 K1.1 P1.4 P2.0 pad.0@1.463,-1.654 Q4.3 Q6.3 Q10.3 R1.1 R2.1 R3.1 R4.2 R6.1 R7.1 R9.1 R10.1 R16.1 R31.1 R36.1 R42.1 R47.1 R49.1 R52.1 U2.7 U3.31 U3.45 U3.49 U4.1 U5.11 U5.25 U6.1 U8.4 U8.9 U9.D5 U9.D6 U9.D7 U9.D8 U9.D9 U9.F2 U9.F6 U9.F7 U9.F8 U9.F9 U9.F10 U9.F12 U9.G2 U9.G6 U9.G7 U9.G8 U9.G9 U9.G10 U9.G12 U9.H6 U9.H7 U9.H8 U9.H9 U9.H10 U9.H12 U9.J6 U9.J7 U9.J8 U9.J9 U9.J10 U9.K6 U9.K7 U9.K8 U9.K9 U9.K10 U9.M1 U9.M8 U9.M9 U9.N1 U10.4 U10.9 U11.6 U11.9 X2.2 X2.4 XT1.2 XT1.4 | length 390
  Top Layer w0.2: R7.1@9.193,-3.104 9.193,-2.587 v1(9.667,-2.113) ; C61.2@27.297,-21.367 27.297,-20.915 27.697,-20.514 27.697,-19.126 28.124,-18.7 29.109,-18.7 v2(29.579,-19.17) ; R42.1@28.061,-1.526 28.061,-0.949 28.448,-0.562 31.827,-0.562 32.146,-0.881 32.146,-1.291 33.671,-1.291 v1(33.68,-1.3) ; v1(29.364,-11.002) 30.08,-10.286 J2.1@30.08,-9.442 ; C63.1@32.108,-5.282 C63.1@32.108,-5.272 ; v1(35.646,-1.944) 36.555,-1.944 ; C76.1@36.106,-2.842 36.106,-2.393 36.555,-1.944 ; R31.1@36.54,-18.867 36.601,-18.928 C29.1@38.41,-18.928 ; C47.2@37.301,-14.487 38.888,-16.073 v1(39.723,-16.073) 39.345,-16.451 C44.1@39.345,-17.863 ; C21.1@38.388,-20.245 38.388,-18.95 C29.1@38.41,-18.928 ; C11.1@38.452,-25.734 38.452,-25.141 38.722,-24.871 39.881,-24.871 40.486,-25.476 40.486,-25.9 40.872,-26.285 U3.45@41.513,-26.285 43.638,-26.285 U3.49@44.638,-25.285 44.438,-25.085 U3.31@44.438,-22.16 ; v1(40.714,-2.421) 40.237,-1.944 36.555,-1.944 ; X2.4@42.782,-20.285 42.636,-20.285 42.027,-19.676 42.027,-19.401 41.762,-19.135 X2.2@41.332,-19.135 41.332,-17.882 C22.2@41.422,-17.792 ; C20.1@44.049,-16.798 43.986,-16.735 41.661,-16.735 41.422,-16.974 C22.2@41.422,-17.792 ; C3.1@48.809,-30.794 49.07,-30.533 C9.1@49.07,-29.116 ; C3.1@48.814,-30.804 49.058,-31.049 P2.0@49.058,-32.285 ; C29.1@38.41,-18.928 38.41,-18.798 C44.1@39.345,-17.863 ; C44.1@39.345,-17.863 39.416,-17.792 C22.2@41.422,-17.792
  Top Layer w0.25: P2.0@46.948,-32.285 46.948,-32.489 47.443,-32.984 48.881,-32.984 49.058,-32.806 P2.0@49.058,-32.285 ; C3.1@48.809,-30.944 C3.1@48.809,-30.794
  Top Layer w0.254: R9.1@3.116,-5.503 2.104,-5.503 1.042,-6.565 1.042,-9.036 1.67,-9.664 R10.1@3.181,-9.664 ; C16.1@3.141,-6.523 v1(3.141,-4.519) ; C12.2@5.914,-12.785 6.094,-12.965 v1(6.094,-14.334) 8.028,-14.334 v1(8.807,-13.555) ; U5.25@9.039,-8.12 9.248,-8.33 U5.11@9.248,-9.482 9.248,-10.171 9.154,-10.265 9.154,-11.613 8.807,-11.96 v1(8.807,-13.555) ; Q10.3@9.938,-14.354 9.606,-14.354 v1(8.807,-13.555) ; v1(10.006,-22.448) 10.006,-22.405 9.229,-21.627 9.229,-20.398 v1(10.122,-19.504) 10.124,-19.502 R47.1@10.124,-17.699 10.124,-16.682 C79.2@10.131,-16.676 10.676,-16.13 v1(10.93,-16.13) ; v1(12.266,-4.516) 12.905,-4.516 Q4.3@13.184,-4.795 ; v1(13.095,-19.753) 13.597,-20.255 13.597,-22.491 v1(14.267,-23.161) ; v1(13.13,-13.848) 14.19,-13.848 Q6.3@14.544,-14.202 ; R16.1@14.696,-7.793 15.111,-7.793 v1(15.517,-8.199) 15.72,-8.403 C26.1@15.72,-9.325 ; J5.11@15.119,-34.056 15.119,-32.228 v1(16.173,-31.174) ; C26.1@15.731,-9.321 C27.2@16.681,-9.32 ; J5.6@16.119,-23.463 J5.6@16.876,-23.463 ; v1(19.099,-2.018) 19.124,-1.992 20.165,-1.992 20.17,-1.997 22.688,-1.997 v1(22.958,-2.267) ; C75.2@20.056,-24.451 C75.2@20.299,-24.451 ; C68.1@20.13,-22.447 21.175,-22.447 C72.1@21.201,-22.473 ; v1(21.238,-18.322) 21.238,-20.25 22.005,-21.017 22.005,-22.172 21.704,-22.473 C72.1@21.201,-22.473 ; R1.1@21.373,-24.75 21.201,-24.578 C72.1@21.201,-22.473 ; v1(26.636,-6.556) 29.786,-6.556 30.326,-6.016 31.558,-6.016 32.113,-5.461 C63.1@32.113,-5.282 ; v1(26.858,-1.386) 27.921,-1.386 R42.1@28.061,-1.526 ; R6.1@34.639,-29.813 34.639,-30.952 C10.1@34.645,-30.958 ; v2(34.777,-19.78) 36.275,-19.78 36.32,-19.735 ; C47.2@37.301,-14.487 37.301,-13.4 37.714,-12.988 38.527,-12.988 v1(38.53,-12.984) ; C4.1@45.391,-32.151 C4.1@45.391,-32.147
  Top Layer w0.3: D3.1@34.135,-23.058 34.215,-23.138 v1(34.215,-26.072) ; R31.1@36.54,-18.867 36.54,-19.261 36.32,-19.482 36.32,-19.735 D2.1@36.32,-20.544 37.497,-21.721 C18.1@38.378,-21.721 ; R49.1@38.384,-23.757 37.462,-23.757 v1(37.115,-24.104) 37.115,-24.397 C11.1@38.452,-25.734 ; C6.1@38.474,-29.855 C8.1@38.474,-28.788
  Top Layer w0.4: v1(4.887,-18.994) J5.13@5.149,-19.256 ; C73.2@19.095,-24.462 20.045,-24.462 C75.2@20.056,-24.451 ; C75.2@20.299,-24.451 R1.1@21.074,-24.451 ; C2.1@44.314,-32.157 44.36,-32.111 C4.1@45.355,-32.111 ; C19.2@45.842,-20.349 45.85,-20.341 47.531,-20.341 v1(47.922,-20.732)
  Mid-Layer 1 w0.2: v1(29.364,-11.002) 29.102,-11.264 29.102,-13.455 v2(29.577,-13.93)
  Mid-Layer 2 w0.2: v1(20.937,-15.7) 22.212,-14.425 26.822,-14.425 v2(27.627,-15.23) 28.927,-15.23 v2(30.227,-16.53) 30.877,-16.53 31.527,-15.88 ; v2(31.527,-13.93) 31.527,-15.88 ; v1(39.723,-16.073) 34.321,-16.073 v2(34.127,-15.88) 33.681,-16.326 31.973,-16.326 31.527,-15.88
  Mid-Layer 2 w0.254: v1(3.141,-4.519) 3.141,-10.851 6.094,-13.804 v1(6.094,-14.334)
  Bottom Layer w0.2: R4.2@9.65,-3.087 9.65,-2.13 v1(9.667,-2.113) ; 14.266,-18.264 14.277,-18.275 ; C60.2@19.91,-17.42 19.923,-17.433 C46.2@20.959,-17.433 ; v1(20.937,-15.7) 20.963,-15.726 20.963,-17.974 v1@21.274,-18.285 ; v1@20.963,-15.7 20.963,-14.051 C55.2@21.001,-14.013 ; U9.M9@29.577,-19.13 U9.K9@29.577,-17.83 ; v2(29.577,-13.93) U9.F9@29.577,-15.23 U9.F8@30.227,-15.23 U9.F7@30.877,-15.23 U9.F6@31.527,-15.23 U9.G6@31.527,-15.88 U9.H6@31.527,-16.53 U9.J6@31.527,-17.18 U9.K6@31.527,-17.83 U9.K7@30.877,-17.83 U9.K8@30.227,-17.83 U9.K9@29.577,-17.83 ; U11.9@30.043,-3.619 30.368,-3.944 U11.6@30.368,-5.069 ; U9.J7@30.877,-17.18 U9.J8@30.227,-17.18 U9.J9@29.577,-17.18 U9.H9@29.577,-16.53 v2(30.227,-16.53) U9.H7@30.877,-16.53 ; U9.G7@30.877,-15.88 U9.G8@30.227,-15.88 U9.G9@29.577,-15.88 U9.G10@28.927,-15.88 U9.H10@28.927,-16.53 U9.J10@28.927,-17.18 U9.K10@28.927,-17.83 U9.K9@29.577,-17.83 ; U11.9@31.277,-3.294 32.778,-3.294 J4.21@33.599,-2.473 ; v1(33.68,-1.3) J4.21@33.68,-2.392 ; v2(34.127,-15.88) U9.F2@34.127,-15.23 ; J4.20@34.598,-4.915 34.598,-4.284 33.599,-3.286 J4.21@33.599,-2.473 ; v2(34.777,-19.78) 34.794,-19.763 37.606,-19.763 U6.1@38.159,-20.315 38.681,-20.838 38.681,-23.109 C35.1@38.763,-23.191 ; v1(35.646,-1.944) 34.128,-1.944 J4.21@33.68,-2.392 ; XT1.2@38.123,-13.873 38.123,-13.391 v1(38.53,-12.984) 38.131,-12.585 C33.2@38.131,-12.441 ; C34.2@39.233,-17.826 39.233,-17.331 39.723,-16.84 v1(39.723,-16.073) ; J4.2@43.611,-4.974 43.611,-3.914 J4.22@45.051,-2.474 ; J4.21@33.599,-2.473 J4.21@33.68,-2.392
  Bottom Layer w0.254: v1(3.141,-4.519) 4.995,-2.665 v1(4.995,-1.625) ; C13.1@4.437,-12.21 5.163,-12.21 6.094,-13.141 v1(6.094,-14.334) 6.094,-17.787 v1(4.887,-18.994) ; v1(6.485,-34.187) 5.902,-33.604 5.902,-31.493 6.199,-31.196 9.37,-31.196 ; v1(6.642,-24.732) 6.642,-24.626 GND1.1@7.419,-23.849 ; v1(8.693,-8.055) 9.256,-8.618 U2.7@10.194,-8.618 ; U8.4@8.929,-21.902 9.629,-21.902 ; R52.1@9.279,-33.745 9.279,-32.01 U10.4@9.37,-31.919 ; U10.4@9.37,-31.585 9.37,-31.196 ; v1(9.667,-2.113) 11.888,-2.113 12.266,-2.491 v1(12.266,-4.516) 15.517,-7.768 v1(15.517,-8.199) 15.041,-8.676 14.581,-8.676 14.581,-9.135 10.162,-13.555 ; U8.9@10.091,-22.363 U8.9@10.379,-22.652 ; v1(10.122,-19.504) 11.386,-19.504 12.626,-18.264 ; v1(10.93,-16.13) 8.807,-14.007 v1(8.807,-13.555) 10.162,-13.555 ; U10.9@11.252,-28.87 9.37,-30.752 9.37,-31.196 ; v1(13.095,-19.753) 13.819,-20.477 13.819,-21.956 14.287,-22.425 C78.1@14.287,-22.648 14.267,-22.668 v1(14.267,-23.161) 14.276,-23.17 C74.1@14.276,-23.701 ; v1(13.13,-13.848) 10.455,-13.848 10.162,-13.555 ; 14.266,-18.264 12.626,-18.264 ; v1(15.088,-18.263) 12.628,-18.263 12.626,-18.264 ; 16.897,-28.9 16.897,-27.475 17.313,-27.059 C65.1@17.74,-27.059 ; v1(17.755,-20.412) 17.755,-20.772 C70.1@18.124,-21.141 ; J3.7@22.477,-2.27 23.432,-2.27 ; J3.1@23.417,-4.77 23.417,-2.286 23.432,-2.27 ; v1(26.858,-1.386) 26.857,-1.388 J3.8@26.857,-2.27 ; U9.H12@27.627,-16.53 U9.G12@27.627,-15.88 v2(27.627,-15.23) U9.F10@28.927,-15.23 ; v2(29.577,-13.93) v2(30.227,-13.93) v2(30.877,-13.93) v2(31.527,-13.93) U9.D5@32.177,-13.93 ; v2(29.579,-19.17) 29.579,-19.132 U9.M9@29.577,-19.13 U9.M8@30.227,-19.13 ; C42.2@30.325,-7.428 35.105,-7.428 C43.2@35.151,-7.475 ; C42.2@30.325,-7.42 30.317,-7.428 26.642,-7.428 26.642,-6.562 v1(26.636,-6.556) 26.636,-2.491 J3.8@26.857,-2.27 ; U11.6@30.368,-5.069 30.368,-5.931 R36.1@30.593,-6.156 ; v2(34.777,-19.78) U9.M1@34.777,-19.13 ; v1(40.714,-2.421) 40.717,-2.424 v1(43.992,-2.424) 45.028,-2.424 J4.22@45.038,-2.415 45.446,-2.823 45.446,-4.553 v1(45.471,-4.578) 45.471,-8.641 45.481,-8.651 45.481,-10.518 ; C71.2@42.14,-8.876 44.403,-8.876 44.415,-8.888 44.415,-9.452 45.481,-10.518 ; v1@45.481,-17.58 45.481,-10.518 ; 23.432,-2.27 J3.8@26.857,-2.27
  Bottom Layer w0.3: v1(37.115,-24.104) 38.412,-24.104 38.763,-23.754 C35.1@38.763,-23.191
  Bottom Layer w0.4: v1(1.463,-16.675) 2.569,-16.675 v1(4.887,-18.994) ; v1(16.173,-31.174) 16.173,-29.624 16.897,-28.9 C64.1@17.73,-28.9 ; C65.1@17.74,-27.059 17.74,-26.119 C67.1@17.746,-26.114 ; C54.2@26.769,-26.073 34.214,-26.073 v1(34.215,-26.072) ; v1@34.215,-26.073 C53.2@34.77,-26.073 ; v1@45.481,-17.58 45.074,-17.987 42.723,-17.987 41.804,-18.906 41.804,-24.3 41.788,-24.316 43.851,-26.379 v1(45.797,-26.379) 47.922,-24.254 v1(47.922,-20.732)
  other v1: 7.398,-34.733 12.366,-34.684 11.124,-34.641 35.051,-34.398 33.772,-34.15 17.393,-33.842 46.488,-33.507 4.72,-33.334 49.226,-33.329 9.277,-33.08 34.641,-32.87 38.745,-32.222 36.445,-31.93 4.72,-31.493 17.766,-30.947 4.045,-29.835 32.989,-28.701 10.892,-28.507 29.714,-28.478 21.443,-28.442 6.043,-28.242 41.607,-28.247 36.158,-27.664 3.866,-27.346 3.85,-25.299 13.23,-24.581 33.048,-24.289 3.802,-22.772 3.742,-20.326 3.758,-17.89 45.506,-17.555 45.471,-15.822 45.471,-14.159 45.481,-12.636 22.286,-11.794 20.374,-11.75 45.492,-11.221 34.476,-10.145 45.508,-9.428 45.508,-7.862 39.45,-7.527 19.451,-7.501 17.874,-6.307 45.481,-6.14 3.202,-2.414
HS_VBUS: R17.2 U9.P13 | length 2.5
  Top Layer w0.2: R17.2@24.647,-20.822 25.039,-20.43 v2(26.977,-20.43)
LCD_CS: J4.3 U9.A11 | length 20.6
  Top Layer w0.2: v2(28.277,-11.98) 28.277,-10.785 28.593,-10.469 28.593,-8.918 30.498,-7.013 36.522,-7.013 38.386,-5.149 42.458,-5.149 43.127,-5.818 v1(43.127,-5.913)
  Bottom Layer w0.2: J4.3@43.111,-4.974 43.127,-4.99 v1(43.127,-5.913)
LCD_DB0: J4.8 U9.M14 | length 32.1
  Mid-Layer 1 w0.2: v2(26.327,-19.13) 24.458,-17.261 24.458,-10.427 31.22,-3.665 39.456,-3.665 40.612,-4.821 v1(40.612,-6.472)
  Bottom Layer w0.2: J4.8@40.611,-4.974 40.611,-6.471 v1(40.612,-6.472)